# Altium PCB 3-as-manufactured.pcbdoc (part 8 of 12) (continued)
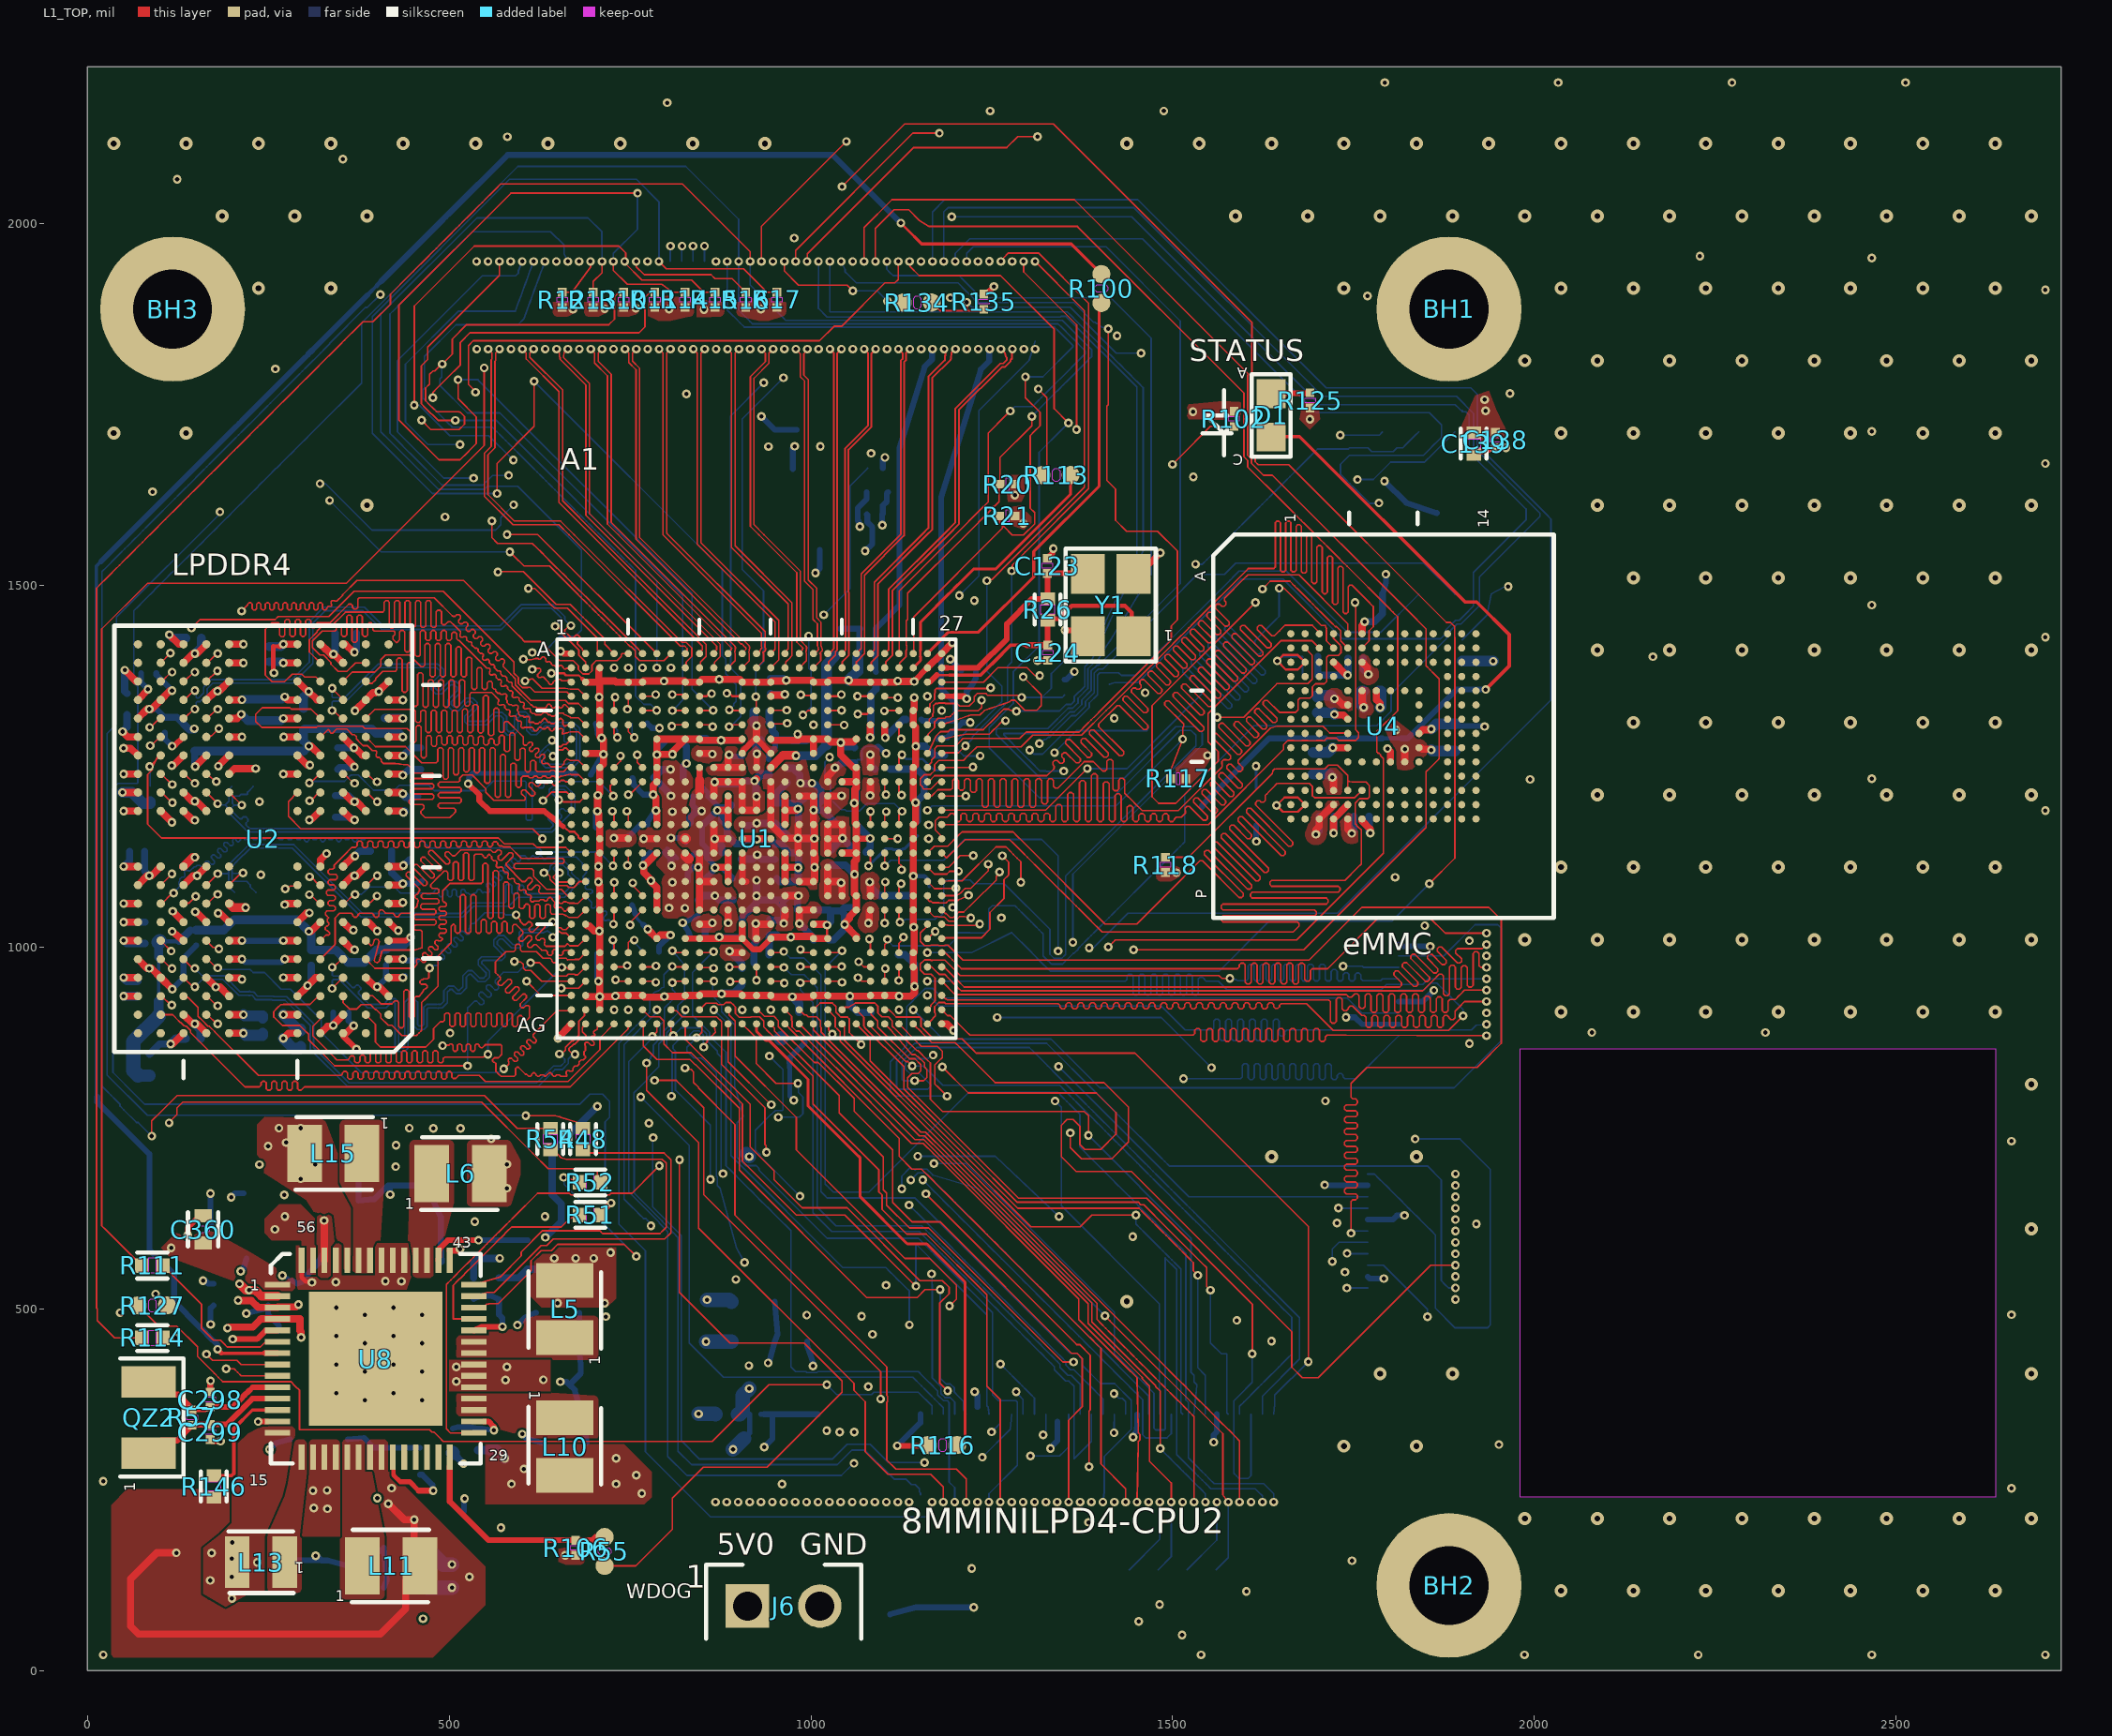
[diagram p0: L1_TOP view]
## Nets (pads, with @x,y where several pads share a name; then routed paths per layer and width w, separated by ;. In a path a pad name is that pad's centre, name@x,y a point inside that pad or via, vN(x,y) a via of type N, cw(c..) or ccw(c..) an arc to the next point about the centre after c; other vN are vias at no path point) (continued)
  L8_BOT w2.2: v1(779,615) 779,617.56 774.01,622.54 774.01,622.99 771.88,625.12 768.78,625.12 763.34,630.56 757.89,636 752.45,641.45 741.97,651.92 741.97,715 741.97,865.24 752.95,876.22 758.64,881.91 764.33,887.6 770.02,893.29 775.71,898.98 781.4,904.67 787.09,910.36 v1(787.09,913.68) ; v1(1283.71,385.67) 1283.71,384.6 1288.48,379.83 1293.25,375.07 1293.25,368.22 1293.25,361.37 J5.55@1293.26,354.53
SAI3_RXFS: J5.51 U1.AG8 | length 845.9
  L1_TOP w2.2: U1.AG8@806.78,893.99 806.77,883.88 810,880.65 v1(810,878)
  L3_INNER1 w2.2: v1(878.69,687.15) 878.69,646.31 1194.83,330.17 v1(1249.53,330.17)
  L8_BOT w2.2: v1(810,878) 820.7,888.7 847.67,888.7 855.7,880.67 855.7,871.45 870.73,856.42 870.73,853.28 876.05,847.95 876.05,839.17 876.05,830.38 876.05,821.59 876.05,812.81 876.05,804.02 876.05,795.24 876.05,786.45 876.05,777.66 876.05,768.88 876.05,760.09 876.05,751.3 876.05,742.52 876.05,733.73 876.05,724.94 876.05,716.16 876.05,707.37 876.05,698.58 876.05,689.8 v1(878.69,687.15) ; v1(1249.53,330.17) 1254.7,335.34 1261.75,342.39 J5.51@1261.76,354.53
SAI3_TXC: J5.45 U1.AG6 | length 830.1
  L1_TOP w2.2: U1.AG6@767.41,893.99 768.48,893.99 768.48,863.62 787.1,845 832.85,845 840.06,837.79 840.6,837.79 901.06,777.32 901.06,715 901.06,691.94 1077,516 1147,516 1157.79,526.79 v1(1178.69,526.79)
  L8_BOT w2.2: v1(1178.69,526.79) 1178.69,413.18 1178.69,404.64 1187.03,396.3 1192.85,396.3 1198.3,390.85 1198.3,385.03 1202.56,380.76 1208.53,374.79 1211.1,372.22 1211.1,360.5 J5.45@1214.52,354.53
SAI3_TXD: J5.49 U1.AF6 | length 936
  L1_TOP w2.2: U1.AF6@767.41,913.68 777.26,903.83 791.17,903.83 796.93,898.07 796.93,866.22 808.95,854.2 834.61,854.2 905.46,783.34 905.46,715 905.46,704.54 980,630 1046.79,630 v1(1145.16,531.63)
  L8_BOT w2.2: v1(1145.16,531.63) 1145.16,589.97 1243.17,491.98 1243.17,366.35 1245.08,364.45 J5.49@1246.02,354.53
SAI3_TXFS: J5.43 U1.AC6 | length 1478.9
  L1_TOP w2.2: U1.AC6@767.41,972.74 784.56,972.74 v1(785.96,974.14)
  L3_INNER1 w2.2: v1(785.96,974.14) 785.96,1028.52 785,1029.48 785,1060 792.5,1067.5 802.5,1067.5 825,1090 825,1115 840,1130 870.68,1130 885,1144.32 885,1240 900,1255 900,1275 910,1285 934.27,1285 942.47,1276.8 942.47,1205.3 987.18,1160.6 987.68,1160.6 992.91,1155.36 993.55,1154.73 993.55,1153.62 993.39,1151.77 993.37,1149.54 993.56,1147.13 993.56,1138.87 993.56,1122.37 993.56,1097.61 993.56,1081.11 1008.49,1066.18 1008.49,1048.63 1008.49,1039.85 1008.49,1004.75 1008.49,960.87 ; 1008.52,960.85 1014.31,955.05 1031.69,937.67 1053.34,916.03 1058.53,910.83 1058.53,910.74 1058.53,895.13 1058.53,886.76 1058.62,886.67 1058.62,869.76 1058.62,861.3 1058.62,851.62 1085.56,824.69 1085.56,758.27 1128.82,715 1132.11,711.71 1138.24,705.59 1144.36,699.46 1148.95,694.87 1153.97,694.87 1159.93,688.91 1164.37,684.47 1168.8,680.04 1168.8,671.5 1168.8,662.97 1168.8,654.44 1168.8,645.9 1168.8,564.05 v1(1166.65,548.62)
  L8_BOT w2.2: v1(1166.65,548.62) 1167.4,547.86 1167.4,534.09 1167.87,533.62 1167.87,516.39 1167.87,412.97 1167.87,404.35 1179.7,392.52 1179.7,383.15 1185.15,377.7 1192.45,377.7 1198.76,371.39 J5.43@1198.77,354.53
SAI5_MCLK: J5.77 U1.AD15 | length 882.3
  L1_TOP w2.2: U1.AD15@944.57,953.05 960.29,953.05 963.01,950.33 v1(963.23,950.33)
  L3_INNER1 w2.2: v1(963.23,950.33) 974.91,961.99 990.38,961.99 996.1,956.27 1001.82,950.55 1007.54,944.83 1018.99,933.38 1024.71,927.66 1024.71,901.35 1030.16,895.89 1035.62,890.44 1041.07,884.98 1041.07,876.54 1041.07,834.3 1064.12,811.25 1064.12,752.12 ; 1064.06,752.18 1108.19,708.05 v1(1137.99,678.24)
  L8_BOT w2.2: v1@1138.03,678.24 1142.93,683.14 1147.83,688.04 1153.2,688.04 1158.32,688.04 1221.21,625.15 1227.5,618.86 1233.79,612.57 1252.66,593.71 1258.95,587.42 1265.23,581.13 1284.1,562.26 1290.39,555.97 1296.68,549.68 1365.86,480.51 1384.72,461.64 1391.01,455.35 1397.3,449.06 1416.17,430.2 1422.45,423.91 1428.74,417.62 1447.61,398.75 1453.9,392.46 1460.19,386.17 1466.48,379.89 1466.48,371.43 J5.77@1466.49,354.53
SAI5_RXFS: J5.70 U1.AB15 | length 1093.2
  L1_TOP w2.2: U1.AB15@944.57,992.42 960.78,992.42 962.08,993.72 v1(962.49,994.13)
  L8_BOT w2.2: v1@962.51,994.11 971.56,985.06 977.9,985.06 990.58,985.06 1002.24,973.39 1008.08,967.56 1013.91,961.73 1013.91,829.58 1013.91,803.16 1013.91,662.06 1018.24,657.72 1022.58,653.39 1083.28,653.39 1091.95,653.39 1126.63,653.39 1143.97,653.39 1358.52,438.84 1367.86,438.84 1374.91,431.79 1374.91,422.45 1400.36,397 1419.73,397 1442.88,373.85 1442.88,370.15 ; J5.70@1403.5,233.27 1405.48,247.28 1405.48,296.18 1442.88,333.57 1442.88,338.91 ; 1442.86,338.92 1442.86,370.14
  other v1: 1403.5,233.27
SD1_CLK: J8.22 U1.V26 | length 1703.8
  L1_TOP w2.2: U1.V26@1161.11,1071.16 1162.16,1070.11 1162.16,1064.87 1163.45,1063.58 1166.12,1063.58 1168.04,1061.66 1176.38,1061.66 1176.72,1061.32 1186.92,1061.32 1190.47,1064.86 1203.49,1064.86 1203.78,1065.16 1204.43,1065.8 v1(1218,1071.81)
  L6_INNER2 w2.2: v1(1218,1071.81) 1218,1069.69 1209.81,1061.5 1209.81,1022.19 1217.4,1014.6 1224.65,1007.35 1224.65,1003.88 1223.45,1002.68 1223.45,999.2 1225.77,996.88 1229.25,996.88 1232.2,999.84 1235.68,999.84 1238,997.52 1238,994.04 1235.05,991.09 1235.05,987.61 1237.37,985.29 1240.85,985.29 1243.8,988.24 1247.28,988.24 1249.6,985.92 1249.6,982.44 1246.65,979.49 1246.65,976.01 1248.96,973.69 1252.44,973.69 1255.52,976.77 1259,976.77 1261.32,974.45 1261.32,970.97 1258.24,967.89 1258.24,964.41 1260.56,962.09 1264.04,962.09 1268.35,966.4 1271.83,966.4 1274.15,964.08 1274.15,960.6 1269.84,956.3 1269.84,952.82 1272.16,950.5 1275.64,950.5 1279.95,954.81 1283.42,954.81 1285.74,952.49 1285.74,949.01 1281.44,944.7 1281.44,941.22 1283.75,938.9 1287.23,938.9 1291.54,943.21 1295.02,943.21 1297.34,940.89 1297.34,937.41 1293.03,933.1 1293.03,929.62 1295.35,927.3 1298.83,927.3 1303.14,931.61 1306.62,931.61 1308.94,929.29 1308.94,925.81 1304.63,921.51 1304.63,918.03 1306.95,915.71 1310.43,915.71 1314.74,920.02 1318.21,920.02 1320.53,917.7 1320.53,914.22 1316.22,909.91 1316.22,906.43 1318.54,904.11 1322.02,904.11 1326.33,908.42 1329.81,908.42 1332.13,906.1 1332.13,902.62 1327.82,898.31 1327.82,894.83 1330.14,892.51 1333.62,892.51 1337.93,896.82 1341.41,896.82 1343.73,894.5 1343.73,891.02 1339.42,886.72 1339.42,883.24 1341.74,880.92 1345.22,880.92 1349.53,885.23 1353,885.23 1355.32,882.91 1355.32,879.43 1351.01,875.12 1351.01,871.64 1353.33,869.32 1356.81,869.32 1361.12,873.63 1364.6,873.63 1366.92,871.31 1366.92,867.83 1362.61,863.52 1362.61,860.04 1364.93,857.72 1368.41,857.72 1372.72,862.03 1376.2,862.03 1378.52,859.71 1378.52,856.24 1374.21,851.93 1374.21,848.45 1376.53,846.13 1380.01,846.13 1384.31,850.44 1387.79,850.44 1390.11,848.12 1390.11,844.64 1385.8,840.33 1385.8,836.85 1388.12,834.53 1391.6,834.53 1395.91,838.84 1399.39,838.84 1401.71,836.52 1401.71,833.04 1397.4,828.73 1397.4,825.25 1399.72,822.94 1403.2,822.94 1407.51,827.24 1410.99,827.24 1413.31,824.92 1413.31,821.45 1409,817.14 1409,813.66 1411.32,811.34 1414.8,811.34 1419.1,815.65 1422.58,815.65 1424.9,813.33 1424.9,809.85 1420.59,805.54 1420.59,802.06 1422.91,799.74 1426.39,799.74 1430.7,804.05 1434.18,804.05 1436.5,801.73 1436.5,798.25 1432.19,793.94 1432.19,790.46 1434.51,788.15 1437.99,788.15 1442.3,792.45 1445.78,792.45 1448.1,790.14 1448.1,786.66 1443.79,782.35 1443.79,778.87 1446.11,776.55 1449.59,776.55 1453.89,780.86 1457.37,780.86 1459.69,778.54 1459.69,775.06 1455.38,770.75 1455.38,767.27 1457.7,764.95 1461.18,764.95 1465.49,769.26 1468.97,769.26 1471.29,766.94 1471.29,763.46 1466.98,759.15 1466.98,755.68 1469.3,753.36 1472.78,753.36 1477.09,757.66 1480.57,757.66 1482.89,755.35 1482.89,751.87 1476.72,745.7 1476.72,742.22 1479.04,739.9 1482.52,739.9 1488.68,746.07 1492.16,746.07 1494.48,743.75 1494.48,740.27 1488.32,734.1 1488.32,730.62 1490.63,728.31 1494.11,728.31 1500.28,734.47 1503.76,734.47 1506.08,732.15 1506.08,728.67 1499.91,722.51 1499.91,719.03 1502.23,716.71 1505.71,716.71 1511.88,722.88 1515.36,722.88 1517.68,720.56 1517.68,717.08 1511.51,710.91 1511.51,707.43 1513.83,705.11 1517.31,705.11 1523.47,711.28 1526.95,711.28 1529.27,708.96 1529.27,705.48 1523.11,699.31 1523.11,695.83 1525.42,693.52 1528.9,693.52 1535.07,699.68 1538.55,699.68 1540.87,697.36 1540.87,693.88 1534.7,687.72 1534.7,684.24 1537.02,681.92 1540.5,681.92 1546.67,688.09 1550.15,688.09 1552.46,685.77 1552.46,682.29 1546.3,676.12 1546.3,672.64 1548.62,670.32 1552.1,670.32 1558.26,676.49 1561.74,676.49 1564.06,674.17 1564.06,670.69 1557.89,664.52 1557.89,661.05 1560.21,658.73 1563.69,658.73 1569.86,664.89 1573.34,664.89 1575.66,662.57 1575.66,659.09 1569.49,652.93 1569.49,649.45 1571.81,647.13 1575.29,647.13 1581.46,653.3 1584.94,653.3 1587.25,650.98 1587.25,647.5 1581.09,641.33 1581.09,637.85 1583.41,635.53 1586.89,635.53 1593.05,641.7 1596.53,641.7 1598.85,639.38 1598.85,635.9 1592.68,629.73 1592.68,626.26 1595,623.94 1598.48,623.94 1607.37,632.82 1610.85,632.82 1613.17,630.51 1613.17,627.03 1604.28,618.14 1604.28,614.66 1606.6,612.34 1610.08,612.34 1619.55,621.81 1623.03,621.81 1625.34,619.49 1625.34,616.01 1615.88,606.54 1615.88,603.06 1618.2,600.74 1621.68,600.74 1631.14,610.21 1634.62,610.21 1636.94,607.89 1636.94,604.41 1627.47,594.94 1627.47,591.47 1629.79,589.15 1633.27,589.15 1642.74,598.61 1646.22,598.61 1648.54,596.29 1648.54,592.82 1639.07,583.35 1639.07,579.87 1641.39,577.55 1644.87,577.55 1654.34,587.02 1657.82,587.02 1660.13,584.7 1660.13,581.22 1650.67,571.75 1650.67,568.27 1652.99,565.95 1656.47,565.95 1665.93,575.42 1669.41,575.42 1671.73,573.1 1671.73,569.62 1662.26,560.16 1662.26,556.68 1664.58,554.36 1668.06,554.36 1677.53,563.82 1681.01,563.82 1683.33,561.5 1683.33,558.03 1673.86,548.56 1673.86,545.08 1676.18,542.76 1679.66,542.76 1689.13,552.23 1692.6,552.23 1694.92,549.91 1694.92,546.43 1685.46,536.96 1685.46,533.48 1687.78,531.16 1691.26,531.16 1694.31,534.21 1697.79,534.21 1698.56,533.44 1703,529 v1(1740.48,529.01)
  L8_BOT w2.2: v1(1740.48,529.01) 1740.6,529.13 J8.22@1769.37,529.13
SD1_CMD: J8.18 U1.V27 | length 1764.4
  L1_TOP w2.2: U1.V27@1180.8,1071.16 1199.44,1071.16 1203.95,1073.05 ccw(c1200.35,1081.63) 1206.89,1075.01 1213.06,1081.11 1220.79,1081.18 1245.3,1105.69 v1(1245.3,1114.77)
  L3_INNER1 w2.2: v1(1245.3,1114.77) 1257.27,1114.77 1259,1113.04 1597.18,1113.04 1598.28,1113.04 1600.74,1115.5 1600.74,1118.34 1603.2,1120.8 1606.48,1120.8 1608.94,1118.34 1608.94,1111.84 1611.4,1109.38 1614.68,1109.38 1617.14,1111.84 1617.14,1118.34 1619.6,1120.8 1622.88,1120.8 1625.34,1118.34 1625.34,1111.84 1627.8,1109.38 1631.08,1109.38 1633.54,1111.84 1633.54,1118.34 1636,1120.8 1639.28,1120.8 1641.74,1118.34 1641.74,1111.84 1644.2,1109.38 1647.48,1109.38 1649.94,1111.84 1649.94,1118.34 1652.4,1120.8 1655.68,1120.8 1658.14,1118.34 1658.14,1111.84 1660.6,1109.38 1663.88,1109.38 1666.34,1111.84 1666.34,1118.34 1668.8,1120.8 1672.08,1120.8 1674.54,1118.34 1674.54,1111.84 1677,1109.38 1680.28,1109.38 1682.74,1111.84 1682.74,1118.34 1685.2,1120.8 1688.48,1120.8 1690.94,1118.34 1690.94,1111.84 1693.4,1109.38 1696.68,1109.38 1699.14,1111.84 1699.14,1118.34 1701.6,1120.8 1704.88,1120.8 1707.34,1118.34 1707.34,1111.84 1709.8,1109.38 1713.08,1109.38 1715.54,1111.84 1715.54,1118.34 1718,1120.8 1721.28,1120.8 1723.74,1118.34 1723.74,1111.84 1726.2,1109.38 1729.48,1109.38 1731.94,1111.84 1731.94,1118.34 1734.4,1120.8 1737.68,1120.8 1740.14,1118.34 1740.14,1111.84 1742.6,1109.38 1745.88,1109.38 1748.34,1111.84 1748.34,1118.34 1750.8,1120.8 1754.08,1120.8 1756.54,1118.34 1756.54,1111.84 1759,1109.38 1762.28,1109.38 1764.74,1111.84 1764.74,1118.34 1767.2,1120.8 1770.48,1120.8 1772.94,1118.34 1772.94,1115.5 1775.4,1113.04 1783.11,1113.04 1856.28,1113.04 1954.34,1014.98 1954.34,489.3 v1(1851.94,489.28)
  L8_BOT w2.2: J8.18@1769.37,560.63 1791.04,560.63 1851.94,499.73 v1(1851.94,489.28)
SD1_DATA0: J8.8 U1.Y27 | length 1697.9
  L1_TOP w2.2: U1.Y27@1180.8,1031.79 1181.95,1030.64 1188.91,1030.64 1189.56,1029.99 1229.04,1029.99 1231.04,1032 v1(1233.21,1032)
  L6_INNER2 w2.2: v1(1233.21,1032) 1233.21,1026.57 1233.21,1016.85 1232,1015.65 1232,1012.17 1234.32,1009.85 1237.8,1009.85 1245.12,1017.16 1248.6,1017.16 1250.92,1014.84 1250.92,1011.37 1243.6,1004.05 1243.6,1000.57 1245.92,998.25 1249.4,998.25 1256.71,1005.57 1260.19,1005.57 1262.51,1003.25 1262.51,999.77 1255.2,992.45 1255.2,988.97 1257.52,986.65 1260.99,986.65 1268.31,993.97 1271.79,993.97 1274.11,991.65 1274.11,988.17 1266.79,980.86 1266.79,977.38 1269.11,975.06 1272.59,975.06 1279.91,982.37 1283.39,982.37 1285.71,980.06 1285.71,976.58 1278.39,969.26 1278.39,965.78 1280.71,963.46 1284.19,963.46 1291.5,970.78 1294.98,970.78 1297.3,968.46 1297.3,964.98 1289.99,957.66 1289.99,954.18 1292.31,951.87 1295.78,951.87 1303.1,959.18 1306.58,959.18 1308.9,956.86 1308.9,953.38 1301.58,946.07 1301.58,942.59 1303.9,940.27 1307.38,940.27 1314.7,947.58 1318.18,947.58 1320.5,945.27 1320.5,941.79 1313.18,934.47 1313.18,930.99 1315.5,928.67 1318.98,928.67 1326.29,935.99 1329.77,935.99 1332.09,933.67 1332.09,930.19 1324.78,922.87 1324.78,919.39 1327.1,917.08 1330.57,917.08 1337.89,924.39 1341.37,924.39 1343.69,922.07 1343.69,918.59 1336.37,911.28 1336.37,907.8 1338.69,905.48 1342.17,905.48 1349.49,912.8 1352.97,912.8 1355.29,910.48 1355.29,907 1347.97,899.68 1347.97,896.2 1350.29,893.88 1353.77,893.88 1361.08,901.2 1364.56,901.2 1366.88,898.88 1366.88,895.4 1359.57,888.08 1359.57,884.6 1361.88,882.29 1365.36,882.29 1372.68,889.6 1376.16,889.6 1378.48,887.28 1378.48,883.8 1371.16,876.49 1371.16,873.01 1373.48,870.69 1376.96,870.69 1384.28,878.01 1387.76,878.01 1390.07,875.69 1390.07,872.21 1382.76,864.89 1382.76,861.41 1385.08,859.09 1388.56,859.09 1395.87,866.41 1399.35,866.41 1401.67,864.09 1401.67,860.61 1394.36,853.29 1394.36,849.82 1396.67,847.5 1400.15,847.5 1407.47,854.81 1410.95,854.81 1413.27,852.49 1413.27,849.01 1405.95,841.7 1405.95,838.22 1408.27,835.9 1411.75,835.9 1419.07,843.22 1422.55,843.22 1424.86,840.9 1424.86,837.42 1417.55,830.1 1417.55,826.62 1419.87,824.3 1423.35,824.3 1430.66,831.62 1434.14,831.62 1436.46,829.3 1436.46,825.82 1429.15,818.5 1429.15,815.03 1431.46,812.71 1434.94,812.71 1442.26,820.02 1445.74,820.02 1448.06,817.7 1448.06,814.22 1440.74,806.91 1440.74,803.43 1443.06,801.11 1446.54,801.11 1453.86,808.43 1457.33,808.43 1459.65,806.11 1459.65,802.63 1452.34,795.31 1452.34,791.83 1454.66,789.51 1458.14,789.51 1465.45,796.83 1468.93,796.83 1471.25,794.51 1471.25,791.03 1463.93,783.72 1463.93,780.24 1466.25,777.92 1469.73,777.92 1477.05,785.23 1480.53,785.23 1482.85,782.91 1482.85,779.43 1475.53,772.12 1475.53,768.64 1477.85,766.32 1481.33,766.32 1488.65,773.64 1492.12,773.64 1494.44,771.32 1494.44,767.84 1487.13,760.52 1487.13,757.04 1489.45,754.72 1492.93,754.72 1500.24,762.04 1503.72,762.04 1506.04,759.72 1506.04,756.24 1498.72,748.93 1498.72,745.45 1501.04,743.13 1504.52,743.13 1511.84,750.44 1515.32,750.44 1517.64,748.12 1517.64,744.65 1510.32,737.33 1510.32,733.85 1512.64,731.53 1516.12,731.53 1523.44,738.85 1526.91,738.85 1529.23,736.53 1529.23,733.05 1521.92,725.73 1521.92,722.25 1524.24,719.93 1527.72,719.93 1535.03,727.25 1538.51,727.25 1540.83,724.93 1540.83,721.45 1533.51,714.14 1533.51,710.66 1535.83,708.34 1539.31,708.34 1546.63,715.65 1550.11,715.65 1552.43,713.33 1552.43,709.86 1545.11,702.54 1545.11,699.06 1547.43,696.74 1550.91,696.74 1558.23,704.06 1561.7,704.06 1564.02,701.74 1564.02,698.26 1556.71,690.94 1556.71,687.46 1559.03,685.14 1562.51,685.14 1569.82,692.46 1573.3,692.46 1575.62,690.14 1575.62,686.66 1568.3,679.35 1568.3,675.87 1570.62,673.55 1574.1,673.55 1581.42,680.86 1584.9,680.86 1587.22,678.54 1587.22,675.07 1579.9,667.75 1579.9,664.27 1582.22,661.95 1585.7,661.95 1593.01,669.27 1596.49,669.27 1598.81,666.95 1598.81,663.47 1591.5,656.15 1591.5,652.67 1593.82,650.35 1597.3,650.35 1604.61,657.67 1608.09,657.67 1610.41,655.35 1610.41,651.87 1603.09,644.56 1603.09,641.08 1605.41,638.76 1608.89,638.76 1615.93,645.8 1619.41,645.8 1620.19,645.02 1625.71,639.5 1626.81,639.5 1629.27,641.96 1629.27,646.76 1631.73,649.22 1635.01,649.22 1637.47,646.76 1637.47,633.85 1639.93,631.39 1643.21,631.39 1645.67,633.85 1645.67,646.76 1648.13,649.22 1651.41,649.22 1653.87,646.76 1653.87,633.85 1656.33,631.39 1659.61,631.39 1662.07,633.85 1662.07,646.76 1664.53,649.22 1667.81,649.22 1670.27,646.76 1670.27,633.85 1672.73,631.39 1676.01,631.39 1678.47,633.85 1678.47,646.76 1680.93,649.22 1684.21,649.22 1686.67,646.76 1686.67,633.85 1689.13,631.39 1692.41,631.39 1694.87,633.85 1694.87,646.76 1697.33,649.22 1700.61,649.22 1703.07,646.76 1703.07,641.96 1705.53,639.5 1714.31,639.5 v1(1729,639.5)
  L8_BOT w2.2: v1(1729,639.5) 1729.13,639.37 J8.8@1769.37,639.37
SD1_DATA1: J8.12 U1.Y26 | length 1763.9
  L1_TOP w2: U1.Y26@1161.11,1031.79 1161.11,1029.63 1151.27,1019.79 1151.27,1008.02 1157.03,1002.26 1165.19,1002.26 1165.97,1003.04 1169.27,1003.04
  L1_TOP w2.2: 1169.27,1003.04 1175.94,1003.04 1176.72,1002.26 1184.88,1002.26 1185.66,1003.04 1189.49,1003.04 1210.32,982.2 1688.47,982.2 1761.27,1055 1937,1055 1954.04,1037.96 1954.04,867.35 1943.09,856.4 1936.75,850.05 1930.4,843.71 1920.69,834 1768.52,834 1746.3,811.78 1746.3,793.93 1746.3,792.83 1748.76,790.37 1752.76,790.37 1755.22,787.91 1755.22,784.63 1752.76,782.17 1739.81,782.17 1737.35,779.71 1737.35,776.43 1739.81,773.97 1752.76,773.97 1755.22,771.51 1755.22,768.23 1752.76,765.77 1739.81,765.77 1737.35,763.31 1737.35,760.03 1739.81,757.57 1752.76,757.57 1755.22,755.11 1755.22,751.83 1752.76,749.37 1739.81,749.37 1737.35,746.91 1737.35,743.63 1739.81,741.17 1752.76,741.17 1755.22,738.71 1755.22,735.43 1752.76,732.97 1739.81,732.97 1737.35,730.51 1737.35,727.23 1739.81,724.77 1752.76,724.77 1755.22,722.31 1755.22,719.03 1752.76,716.57 1739.81,716.57 1737.35,714.11 1737.35,710.83 1739.81,708.37 1752.76,708.37 1755.22,705.91 1755.22,702.63 1752.76,700.17 1739.81,700.17 1737.35,697.71 1737.35,694.43 1739.81,691.97 1752.76,691.97 1755.22,689.51 1755.22,686.23 1752.76,683.77 1739.81,683.77 1737.35,681.31 1737.35,678.03 1739.81,675.57 1752.76,675.57 1755.22,673.11 1755.22,669.83 1752.76,667.37 1739.81,667.37 1737.35,664.91 1737.35,661.63 1739.81,659.17 1752.76,659.17 1755.22,656.71 1755.22,653.43 1752.76,650.97 1748.76,650.97 1746.3,648.51 1746.3,634 v1@1746.3,605.02
  L8_BOT w2.2: v1(1746.43,604.89) 1749.39,607.85 J8.12@1769.37,607.87
SD1_DATA2: J8.14 U1.T27 | length 1765.5
  L1_TOP w2.2: U1.T27@1180.8,1110.53 1190.45,1110.53 1206.4,1126.48 v1(1224.58,1126.48)
  L3_INNER1 w2.2: v1(1224.58,1126.48) 1251.5,1126.48 1260.74,1117.24 1268.28,1117.24 1276.03,1125 1865.4,1125 1965.41,1024.99 1965.41,963.68 1965.41,484.41 1945,464 1788,464 1720.63,531.37 v1(1720.62,565.76)
  L8_BOT w2.2: v1(1720.62,565.76) 1720.62,582.88 1729.87,592.13 J8.14@1769.37,592.13
SD1_DATA3: J8.16 U1.T26 | length 1684.7
  L1_TOP w2.2: U1.T26@1161.11,1110.53 1170.64,1101 1187.83,1101 1191.83,1105 v1(1204,1105)
  L6_INNER2 w2.2: v1(1204,1105) 1190.16,1091.16 1190.16,1089.16 1189.12,1085.08 ccw(c1198.13,1082.78) 1188.83,1082.83 1188.82,1082.08 1183.74,1074.96 1183.74,1048.54 1205.41,1026.87 1205.41,1011.31 1213.76,1002.96 1220.28,996.43 1220.28,992.95 1214.75,987.41 1214.75,983.93 1217.06,981.62 1220.54,981.62 1226.08,987.15 1229.56,987.15 1231.88,984.83 1231.88,981.36 1226.34,975.82 1226.34,972.34 1228.66,970.02 1232.14,970.02 1237.68,975.56 1241.16,975.56 1243.48,973.24 1243.48,969.76 1237.94,964.22 1237.94,960.74 1240.26,958.42 1243.74,958.42 1249.28,963.96 1252.75,963.96 1255.07,961.64 1255.07,958.16 1249.54,952.62 1249.54,949.14 1251.85,946.83 1255.33,946.83 1260.87,952.36 1264.35,952.36 1266.67,950.05 1266.67,946.57 1261.13,941.03 1261.13,937.55 1263.45,935.23 1266.93,935.23 1272.47,940.77 1275.95,940.77 1278.27,938.45 1278.27,934.97 1272.73,929.43 1272.73,925.95 1275.05,923.63 1278.53,923.63 1284.07,929.17 1287.54,929.17 1289.86,926.85 1289.86,923.37 1284.32,917.83 1284.32,914.36 1286.64,912.04 1290.12,912.04 1295.66,917.57 1299.14,917.57 1301.46,915.26 1301.46,911.78 1295.92,906.24 1295.92,902.76 1298.24,900.44 1301.72,900.44 1307.26,905.98 1310.74,905.98 1313.06,903.66 1313.06,900.18 1307.52,894.64 1307.52,891.16 1309.84,888.84 1313.32,888.84 1318.85,894.38 1322.33,894.38 1324.65,892.06 1324.65,888.58 1319.11,883.04 1319.11,879.57 1321.43,877.25 1324.91,877.25 1330.45,882.79 1333.93,882.79 1336.25,880.47 1336.25,876.99 1330.71,871.45 1330.71,867.97 1333.03,865.65 1336.51,865.65 1342.05,871.19 1345.53,871.19 1347.85,868.87 1347.85,865.39 1342.31,859.85 1342.31,856.37 1344.63,854.05 1348.11,854.05 1353.64,859.59 1357.12,859.59 1359.44,857.27 1359.44,853.79 1353.9,848.25 1353.9,844.78 1356.22,842.46 1359.7,842.46 1365.24,848 1368.72,848 1371.04,845.68 1371.04,842.2 1365.5,836.66 1365.5,833.18 1367.82,830.86 1371.3,830.86 1376.84,836.4 1380.32,836.4 1382.64,834.08 1382.64,830.6 1377.1,825.06 1377.1,821.58 1379.42,819.26 1382.9,819.26 1388.43,824.8 1391.91,824.8 1394.23,822.48 1394.23,819 1388.69,813.47 1388.69,809.99 1391.01,807.67 1394.49,807.67 1400.03,813.21 1403.51,813.21 1405.83,810.89 1405.83,807.41 1400.29,801.87 1400.29,798.39 1402.61,796.07 1406.09,796.07 1411.63,801.61 1415.11,801.61 1417.43,799.29 1417.43,795.81 1411.89,790.27 1411.89,786.79 1414.21,784.47 1417.69,784.47 1423.22,790.01 1426.7,790.01 1429.02,787.69 1429.02,784.21 1423.48,778.68 1423.48,775.2 1425.8,772.88 1429.28,772.88 1434.82,778.42 1438.3,778.42 1440.62,776.1 1440.62,772.62 1435.08,767.08 1435.08,763.6 1437.4,761.28 1440.88,761.28 1446.42,766.82 1449.9,766.82 1452.22,764.5 1452.22,761.02 1446.68,755.48 1446.68,752 1449,749.68 1452.47,749.68 1458.01,755.22 1461.49,755.22 1463.81,752.9 1463.81,749.42 1458.27,743.89 1458.27,740.41 1460.59,738.09 1464.07,738.09 1467.75,741.77 1471.23,741.77 1473.55,739.45 1473.55,735.97 1469.87,732.29 1469.87,728.81 1472.19,726.49 1475.67,726.49 1479.35,730.17 1482.83,730.17 1485.15,727.85 1485.15,724.37 1481.47,720.69 1481.47,717.21 1483.79,714.89 1487.26,714.89 1490.95,718.58 1494.42,718.58 1496.74,716.26 1496.74,712.78 1493.06,709.1 1493.06,705.62 1495.38,703.3 1498.86,703.3 1502.54,706.98 1506.02,706.98 1508.34,704.66 1508.34,701.18 1504.66,697.5 1504.66,694.02 1506.98,691.7 1510.46,691.7 1514.14,695.38 1517.62,695.38 1519.94,693.06 1519.94,689.58 1516.26,685.9 1516.26,682.42 1518.58,680.1 1522.05,680.1 1525.74,683.79 1529.21,683.79 1531.53,681.47 1531.53,677.99 1527.85,674.31 1527.85,670.83 1530.17,668.51 1533.65,668.51 1537.33,672.19 1540.81,672.19 1543.13,669.87 1543.13,666.39 1539.45,662.71 1539.45,659.23 1541.77,656.91 1545.25,656.91 1548.93,660.59 1552.41,660.59 1554.73,658.27 1554.73,654.79 1551.05,651.11 1551.05,647.63 1553.36,645.32 1556.84,645.32 1560.52,649 1564,649 1566.32,646.68 1566.32,643.2 1562.64,639.52 1562.64,636.04 1564.96,633.72 1568.44,633.72 1572.12,637.4 1575.6,637.4 1577.92,635.08 1577.92,631.6 1574.24,627.92 1574.24,624.44 1576.56,622.12 1580.04,622.12 1583.72,625.8 1587.2,625.8 1589.52,623.48 1589.52,620.01 1585.84,616.32 1585.84,612.84 1588.15,610.53 1591.63,610.53 1595.31,614.21 1598.79,614.21 1601.11,611.89 1601.11,608.41 1597.43,604.73 1597.43,601.25 1599.75,598.93 1603.23,598.93 1606.91,602.61 1610.39,602.61 1612.71,600.29 1612.71,596.81 1609.03,593.13 1609.03,589.65 1611.35,587.33 1614.83,587.33 1618.51,591.01 1621.99,591.01 1624.31,588.69 1624.31,585.22 1620.62,581.53 1620.62,578.06 1622.94,575.74 1626.42,575.74 1630.1,579.42 1633.58,579.42 1635.9,577.1 1635.9,573.62 1632.22,569.94 1632.22,566.46 1634.54,564.14 1638.02,564.14 1641.7,567.82 1645.18,567.82 1647.5,565.5 1647.5,562.02 1643.82,558.34 1643.82,554.86 1646.14,552.54 1649.62,552.54 1653.3,556.22 1656.78,556.22 1659.1,553.9 1659.1,550.43 1655.41,546.74 1655.41,543.27 1657.73,540.95 1661.21,540.95 1664.89,544.63 1668.37,544.63 1669.15,543.85 1698,515 1747,515 1754.98,522.98 1754.98,563.01 v1(1740.98,577.01)
  L8_BOT w2.2: v1(1740.98,577.01) 1741.61,576.38 J8.16@1769.37,576.38
SD1_STROBE: J4.70 U1.R24 | length 2311.5
  L1_TOP w2.2: v1@1073.5,1947.76 1073.5,1994.5 1112.04,2033.04 1363.96,2033.04 1604.39,1792.61 1604.39,1790.79 1603.7,1790.09 1603.7,1679.91 1608.9,1674.71 1608.9,1668.73 1625.31,1652.31 1637.68,1652.31 1825.99,1464 1850.24,1439.75 1850.24,1405.79 1850.24,1397.3 1850.24,1388.81 1855.58,1383.47 1860.92,1378.13 1866.26,1372.79 1868.26,1370.79 1868.26,1260.52 1866.24,1258.5 1860.87,1253.14 1855.51,1247.77 1850.15,1242.41 1850.15,1225.33 1850.15,1191.18 1850.15,1182.64 1850.15,1174.11 1850.15,1165.57 1681.13,996.55 ; U1.R24@1121.74,1130.22 1121.74,1115.99 v1@1125.18,1112.55 ; v1(1445.84,996.55) 1681.12,996.55
  L3_INNER1 w2: 1154.22,1104.49 1154.22,1104.26 1154.64,1103.02
  L3_INNER1 w2.2: v1(1125.18,1106.95) 1129.48,1106.95 1135.21,1112.67 1146.03,1112.67 1154.22,1104.49 ; 1154.64,1103.02 1185.5,1072.16 1193.84,1072.16 1208.88,1057.12 1209.53,1056.47 1211.35,1056.47 1225,1056.8 1364.65,1060.14 1366.47,1060.14 1367.12,1059.5 1372.83,1053.78 1385.55,1041.06 1391.91,1034.7 1398.27,1028.35 1410.99,1015.63 1417.35,1009.27 1423.7,1002.91 1430.06,996.55 v1(1445.84,996.55)
  other v1: 1073.5,1947.75
SD2_CLK: J4.76 U1.W23 | length 1772.4
  L1_TOP w2.2: v1(536.54,1767.02) 536.54,1768.09 526.71,1777.92 526.71,1831.34 533.5,1838.14 1012.11,1838.14 1032.08,1858.1 1042.4,1858.1 1102.3,1918 1116.03,1918 1120.74,1922.71 v1@1120.74,1947.22 ; v1(1102.06,1033.31) U1.W23@1102.05,1051.48
  L3_INNER1 w2.2: v1(536.54,1767.02) 595.24,1767.02 946.01,1416.25 946.01,1300.16 ; 1026.84,1147.27 1026.84,1083.23 1061.93,1048.14 1087.23,1048.14 v1(1102.06,1033.31)
  L3_INNER1 w2.21: 946.01,1300.16 946.01,1280.62 947.67,1278.96 947.67,1206.33 989,1165 1010,1165 1026.84,1148.16 1026.84,1147.27
  other v1: 1120.74,1947.75
SD2_CMD: J4.78 R120.2 U1.W24 | length 1969.7
  L1_TOP w2.2: U1.W24@1121.74,1051.48 1121.74,1035.81 v1(1123.03,1034.52) ; v1(1136.49,1947.75) 1136.86,1947.38 1136.86,1941.02 1149.69,1928.19 1262.02,1928.19 1336.28,1853.94 1336.28,1744.24 v1(1355.97,1724.55)
  L8_BOT w2.2: v1(1123.03,1034.52) 1126.49,1034.52 1130.57,1038.6 1155.95,1038.6 1156.06,1038.49 R120.2@1171.49,1038.49 1175.49,1042.49 1178.7,1042.49 1183.64,1047.42 1183.64,1089.3 1187.23,1092.9 1219.97,1092.9 1225,1087.87 1267.28,1087.87 1330.4,1024.75 1330.4,1007.5 1330.4,998.88 1330.4,990.25 1336.11,984.54 1346.51,984.54 1352.14,990.18 1352.14,999.13 1352.14,1017.02 1352.14,1025.97 1352.14,1098.5 1531.95,1278.3 1531.95,1293.05 1525.31,1299.69 1510.16,1299.69 1429.45,1218.97 1423.24,1212.76 1417.03,1206.55 1315.67,1206.55 1246.46,1275.76 1246.46,1303.67 1279.68,1336.9 1279.68,1348.74 1279.68,1356.71 1279.68,1380.61 1315.38,1416.31 1315.38,1683.97 1347.62,1716.2 v1(1355.97,1724.55)
SD2_DATA0: J4.84 R119.2 U1.AB23 | length 2458.9
  L1_TOP w2.2: U1.AB23@1102.05,992.42 1102.05,1003.59 1106,1007.54 v1(1106,1011)
  L8_BOT w2.2: v1(1106,1011) 1106,1009.33 1113.3,1002.03 1116.35,1002.03 1132.8,1002.03 1141.03,1002.03 1149.25,1002.03 1157.48,1002.03 1165.71,1002.03 1190.39,1002.03 1194.94,1006.58 1199.49,1011.12 R119.2@1199.49,1020.09 1219.77,1020.1 1219.89,1019.97 1241.17,1019.97 1245.88,1024.68 1245.88,1052.69 1250.6,1057.4 1282.09,1057.4 1287.66,1051.83 1293.23,1046.26 1298.8,1040.69 1304.37,1035.12 1309.94,1029.55 1315.51,1023.98 1321.08,1018.41 1321.08,1010.82 1321.08,995.64 1321.08,988.05 1326.05,983.08 1331.02,978.11 1332.44,976.69 1347.7,976.69 1350.3,979.3 1362.61,991.61 1363.8,991.61 1369.36,997.16 1369.36,998.36 1374.92,1003.92 1381.07,1010.07 1387.23,1016.22 1393.38,1022.38 1411.85,1040.84 1418,1047 1424.15,1053.15 1467.24,1096.23 1473.39,1102.39 1479.55,1108.54 1498.01,1127 1504.16,1133.16 1510.32,1139.31 1516.47,1145.47 1516.47,1210.71 1611.98,1306.23 1782.2,1306.23 1801.92,1325.95 1801.92,1350.32 1882.9,1431.31 1882.9,1436.7 1892.86,1446.66 1898.25,1446.66 1923.77,1472.17 1923.77,1511.61 1977.95,1565.79 1983.97,1571.81 1989.99,1577.83 2007.41,1595.26 2007.41,1599.87 1915.74,1691.54 1915.74,1737.51 1891.97,1761.28 1707.21,1761.28 1446.52,2021.98 1189.46,2021.98 1183.74,2016.25 1183.74,1999.8 1183.74,1950.46 v1(1183.73,1947.75)